# KiCad board knobdeavour.kicad_pcb (continued)
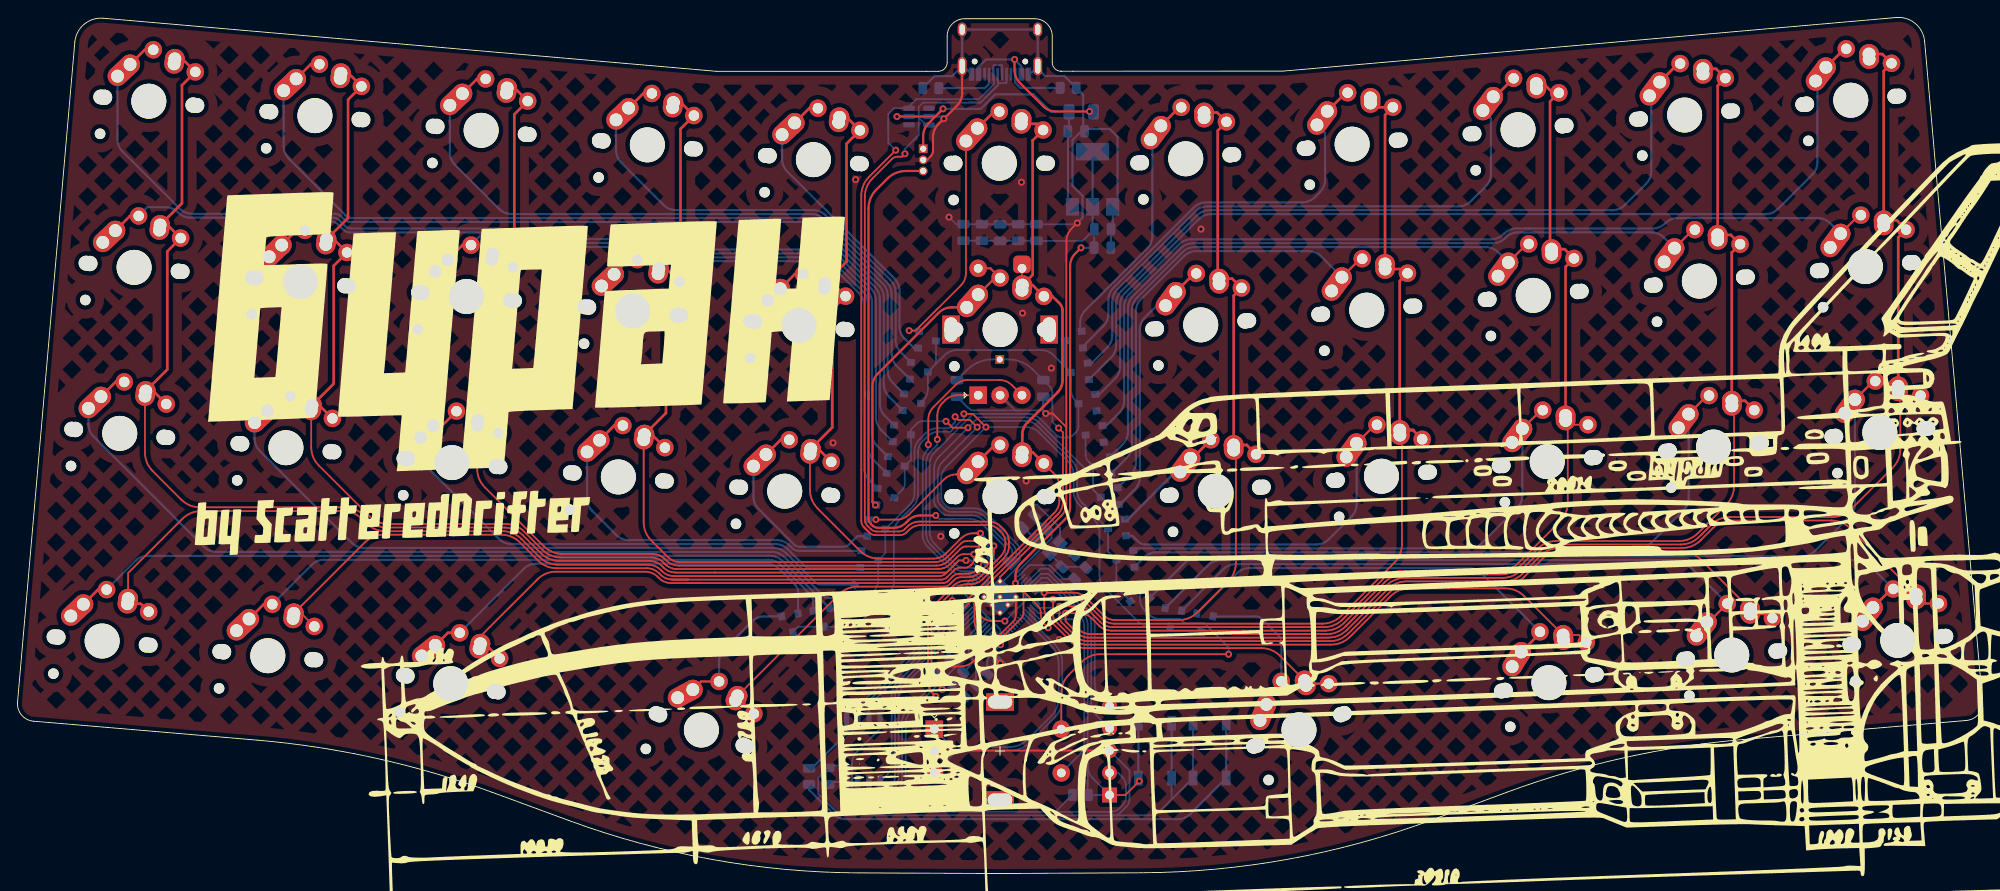
[diagram p0: board, top side]
## Routing (per net, layer and track width the routed paths; a pad name or vN(x,y) marks a point on that pad's centre or on a via; arc(x,y) is an arc through that point) (continued)
  Top w0.2: 96.75,54.53 96.75,55.18 ; 96.75,54.53 96.75,40.45 arc(96.83,40.06) 97.05,39.74 97.41,39.37 arc(97.74,39.15) 98.12,39.08 100.63,39.08 arc(101.02,39.15) 101.34,39.37 101.6,39.63 arc(102.25,40.06) 103.02,40.22 110.91,40.22 arc(111.68,40.06) 112.32,39.63 112.63,39.32 arc(113.07,38.67) 113.22,37.91 113.22,37.46 arc(113.07,36.69) 112.63,36.04 110.24,33.65 arc(109.59,33.21) 108.82,33.06 108.44,33.06 arc(107.67,32.91) 107.02,32.47 105.25,30.7 arc(104.6,29.73) 104.37,28.58 104.37,23.1 arc(104.52,22.34) 104.96,21.69 v1(105.58,21.07) ; 96.75,54.53 96.75,77.32 arc(96.98,78.46) 97.63,79.44 99.82,81.62 arc(100.14,81.84) 100.53,81.92 101.01,81.92 v1(101.34,82.25)
  Bottom w0.2: 102.91,86.38 103.73,85.56 U44.3 ; 102.91,86.38 102.91,84.39 ; 102.91,86.38 102.91,87.59 103.42,88.1 105.43,88.1 105.44,88.09 105.45,88.1 109.96,88.1 ; v1(105.58,21.07) 106.09,21.07 R3.1 ; 111.99,90.33 111.94,90.38 J0.A6 111.94,90.07 109.96,88.1 ; 111.99,90.33 111.99,90.12 109.96,88.1 ; 111.99,90.33 112.89,90.33 112.94,90.38 J0.B6 ; v1(101.34,82.25) 101.34,82.82 102.91,84.39 ; 108.56,88.1 109.96,88.1 ; 102.91,84.39 102.33,83.81
/USB_D-: length 114.1
  Top w0.2: 103.97,22.81 103.97,23.55 ; 103.97,23.55 103.97,28.74 arc(104.2,29.89) 104.85,30.86 106.86,32.87 arc(107.51,33.31) 108.27,33.46 108.66,33.46 arc(109.42,33.61) 110.07,34.04 112.23,36.21 arc(112.67,36.86) 112.82,37.62 112.82,37.74 arc(112.67,38.51) 112.23,39.16 112.16,39.23 arc(111.51,39.66) 110.74,39.82 103.18,39.82 arc(102.42,39.66) 101.77,39.23 101.51,38.97 arc(101.18,38.75) 100.8,38.68 97.96,38.68 arc(97.57,38.75) 97.25,38.97 96.67,39.55 ; 103.97,23.55 103.97,21.97 arc(104.12,21.2) 104.55,20.55 v1(104.86,20.25) ; 96.67,39.55 96.65,39.57 arc(96.43,39.9) 96.35,40.28 96.35,77.48 arc(96.58,78.63) 97.23,79.6 v1(100.29,82.66) ; 96.67,39.55 97.31,38.91
  Bottom w0.2: 99.44,86.33 99.44,84.61 ; 99.44,86.33 99.44,86.8 100.1,87.46 U44.6 101.8,87.65 102.65,88.5 109.8,88.5 111.49,90.19 111.49,90.63 111.44,90.68 J0.B7 111.44,92.33 111.49,92.38 112.39,92.38 112.44,92.33 J0.A7 ; 99.44,86.33 99.44,83.51 v1(100.29,82.66) ; 104.84,20.24 v1(104.86,20.25) 105.1,19.99 107.9,19.99 R4.1
/XIN: length 9.5
  Bottom w0.2: 116.22,36.47 114.2,34.45 U3.20 ; 116.22,36.47 116.7,36.95 ; 116.22,36.47 118.08,38.33 118.08,38.77 Y0.3 116.11,40.74 C2.1
/XOUT: length 7.3
  Bottom w0.2: R5.1 119.44,33.65 117.86,35.24 115.55,35.24 U3.21
/~{USB_BOOT}: length 58.6
  Bottom w0.25: 92.93,7.03 90.4,9.56 R1.2 ; 92.93,7.03 93.15,6.8 ; 92.93,7.03 93.16,6.8 arc(93.8,6.37) 94.57,6.21 123.62,6.21 132.5,6.21 arc(133.27,6.37) 133.92,6.8 SW4.2 ; SW4.2 SW4.2 ; SW4.2 138.04,10.92 138.04,11.5 138.03,11.51
COL0: length 266.3
  Top w0.2: 106.42,34.71 105.99,34.28 arc(105.66,34.06) 105.28,33.99 74.98,33.99 arc(74.21,34.14) 73.56,34.57 73.43,34.7 arc(72.78,35.14) 72.02,35.29 61.73,35.29 arc(60.58,35.52) 59.6,36.17 57.53,38.24 arc(56.56,38.89) 55.41,39.12 41.98,39.12 arc(40.83,39.35) 39.86,40 39.32,40.54 arc(38.34,41.19) 37.2,41.42 20.96,41.42 arc(19.81,41.19) 18.84,40.54 12.64,34.34 K4.1 ; 106.42,34.71 106.69,34.98 ; 106.42,34.71 106.1,34.39 79.66,34.39 79.66,34.39 79.66,34.39 75.17,34.39 arc(74.4,34.54) 73.75,34.98 73.6,35.13 arc(72.95,35.57) 72.18,35.72 61.89,35.72 arc(60.74,35.95) 59.77,36.6 57.71,38.66 arc(56.73,39.31) 55.58,39.54 42.37,39.54 ; 35.83,41.85 31.8,41.85 ; v1(108.31,35.78) 107.49,35.78 106.69,34.98 ; 106.69,34.98 107.35,35.64 ; K3.1 14.56,48.11 arc(14.78,46.96) 15.43,45.99 18.7,42.73 arc(19.67,42.08) 20.82,41.85 31.8,41.85 ; 31.8,41.85 37.38,41.85 arc(38.52,41.62) 39.5,40.97 40.05,40.42 arc(41.02,39.77) 42.17,39.54 42.37,39.54 ; 42.15,39.54 42.37,39.54
  Top w0.3: K4.1 14.06,30.83 K4.1 ; K1.1 18.82,93.1 K1.1 18.78,90.08 18.78,76.6 K2.1 17.14,74.11 K2.1 17.1,71.09 17.1,57.59 K3.1 15.5,55.14 K3.1
  Bottom w0.2: 109.55,35.09 108.86,35.78 v1(108.31,35.78) ; 109.55,35.09 109.32,35.32 ; 109.55,35.09 U3.9
COL1: length 225.6
  Top w0.2: 76.59,33.59 74.81,33.59 arc(74.05,33.74) 73.4,34.17 73.27,34.3 arc(72.62,34.74) 71.85,34.89 61.56,34.89 arc(60.41,35.12) 59.44,35.77 57.37,37.84 arc(56.39,38.49) 55.24,38.72 41.79,38.72 arc(40.64,38.49) 39.67,37.84 K8.1 ; 76.59,33.59 105.46,33.59 arc(105.85,33.66) 106.17,33.88 106.95,34.66 arc(107.27,34.87) 107.66,34.95 108.18,34.95 arc(108.56,35.03) 108.88,35.24 108.92,35.27 arc(109.13,35.6) 109.21,35.98 v1(109.21,36.49) 108.05,36.49 arc(107.66,36.41) 107.34,36.19 106.52,35.38 arc(105.87,34.94) 105.1,34.79 75.33,34.79 arc(74.57,34.94) 73.92,35.38 73.76,35.53 arc(73.11,35.97) 72.35,36.12 62.06,36.12 arc(60.91,36.35) 59.93,37 57.87,39.06 arc(56.9,39.71) 55.75,39.94 42.34,39.94 arc(41.19,40.17) 40.21,40.82 34.41,46.62 arc(33.76,47.59) 33.54,48.74 K7.1 ; 76.59,33.59 74.64,33.59 ; K8.1 31.56,29.24 K8.1 ; K8.1 32.41,29.73 K8.1
  Top w0.3: K7.1 34.48,53.5 K7.1 36.1,55.97 36.1,69.44 K6.1 36.14,72.46 K6.1 37.75,74.92 37.75,88.43 K5.1 37.79,91.45 K5.1
  Bottom w0.2: v1(109.21,36.49) 109.28,36.49 U3.11
COL2: length 187.2
  Top w0.2: K11.1 52.5,46.24 arc(52.72,45.09) 53.37,44.12 60.1,37.4 arc(61.07,36.75) 62.22,36.52 72.51,36.52 arc(73.28,36.37) 73.93,35.93 74.09,35.77 arc(74.73,35.34) 75.5,35.19 101.85,35.19 104.94,35.19 arc(105.7,35.34) 106.35,35.77 107.66,37.08 arc(107.98,37.3) 108.37,37.37 109.98,37.37 v1(110.07,37.28) ; v1(110.07,37.28) 110.19,37.17 ; v1(110.07,37.28) 110.07,35.59 arc(110,35.21) 109.78,34.88 109.74,34.84 arc(109.09,34.41) 108.33,34.26 107.53,34.26 arc(107.14,34.18) 106.82,33.97 106.34,33.48 arc(106.01,33.26) 105.63,33.19 78.11,33.19 ; K12.1 52.72,26.97 59.36,33.61 arc(60.33,34.26) 61.48,34.49 71.69,34.49 arc(72.45,34.34) 73.1,33.9 73.23,33.77 arc(73.88,33.34) 74.65,33.19 78.11,33.19 ; 78.11,33.19 76.43,33.19
  Top w0.3: K9.1 56.77,89.77 K9.1 56.73,86.75 56.73,73.26 K10.1 55.1,70.78 K10.1 55.06,67.76 55.06,54.27 K11.1 53.44,51.8 K11.1 ; K12.1 53.37,26.26 K12.1
  Bottom w0.2: U3.12 110.07,36.26 v1(110.07,37.28)
COL3: length 141.3
  Top w0.2: K15.1 71.5,40.17 arc(71.72,39.02) 72.37,38.05 74.25,36.17 arc(74.9,35.74) 75.67,35.59 104.77,35.59 arc(105.54,35.74) 106.19,36.17 107.72,37.7 arc(108.04,37.92) 108.42,38 110.51,38 arc(110.9,37.92) 111.22,37.7 v1(111.5,37.43) 111.5,36.87 arc(111.35,36.1) 110.91,35.45 109.9,34.44 arc(109.26,34.01) 108.49,33.86 107.69,33.86 arc(107.31,33.78) 106.99,33.57 106.5,33.08 arc(106.18,32.87) 105.8,32.79 95.95,32.79 arc(94.8,32.56) 93.83,31.91 K16.1
  Top w0.3: K13.1 75.75,88.11 K13.1 75.71,85.09 75.71,71.59 K14.1 74.09,69.12 K14.1 74.05,66.1 74.05,52.62 K15.1 72.44,50.16 K15.1 ; K16.1 82.22,20.13 K16.1
  Bottom w0.2: U3.14 111.5,35.97 v1(111.5,37.43)
COL4: length 79.8
  Top w0.2: K19.1 90.49,43.84 arc(90.72,42.69) 91.37,41.71 96.22,36.87 arc(97.19,36.22) 98.34,35.99 104.61,35.99 arc(105.37,36.14) 106.02,36.57 107.74,38.29 arc(108.39,38.73) 109.15,38.88 v1(109.96,38.88) 109.46,38.88 109.47,38.88
  Top w0.3: K17.1 94.71,86.42 K17.1 94.67,83.4 94.67,69.92 K18.1 93.07,67.47 K18.1 93.03,64.45 93.03,50.97 K19.1 91.43,48.53 92.92,47.04
  Bottom w0.2: U3.13 110.77,36.13 110.77,38.06 v1(109.96,38.88)
COL5: length 77.3
  Top w0.2: SW2.S1 114.7,67.28 K22.1 ; 113.15,35.97 112.42,35.23 ; 113.15,35.97 108.36,31.18 v1(106.74,31.18) 106.38,31.18 ; 113.15,35.97 118.39,41.2 arc(118.82,41.85) 118.97,42.62 118.97,44.26 arc(118.82,45.02) 118.39,45.67 K23.1
  Top w0.3: K21.1 116.41,85.67 K21.1 115.92,83.77 115.92,68.41 K22.1 115.92,67.24 K22.1 118.18,65.96 119.03,65.1 arc(119.25,64.78) 119.32,64.4 119.32,56.36 arc(119.17,55.6) 118.74,54.95 115.32,51.53 arc(114.89,50.88) 114.73,50.11 K23.1 115.91,48.15 K23.1
  Bottom w0.2: v1(106.74,31.18) 106.74,32.64 107.04,32.94 107.74,32.94 U3.2
COL6: length 124.5
  Top w0.2: K27.1 139.13,48.14 139.13,35.49 arc(138.9,34.34) 138.25,33.37 134.71,29.83 arc(133.74,29.18) 132.59,28.95 125.4,28.95 arc(124.64,29.11) 123.99,29.54 122.02,31.51 arc(121.37,31.94) 120.61,32.09 v1(117.24,32.09) 117.24,30.39 arc(117.4,29.62) 117.83,28.97 120.46,26.34 arc(121.11,25.91) 121.87,25.76 142.04,25.76 arc(143.19,25.53) 144.16,24.88 K28.1
  Top w0.25: K28.1 147.34,21.7 K28.1
  Top w0.3: K26.1 138.7,67.98 K26.1 138.87,66.03 K27.1 140.37,48.97 K27.1 ; K26.1 137.05,67.56 137.05,84.9 K25.1 136.99,86.96 K25.1
  Bottom w0.2: 116.63,32.19 U3.28 117.15,32.19 v1(117.24,32.09)
COL7: length 175.7
  Top w0.2: K31.1 158.1,49.85 158.1,37.63 arc(157.87,36.48) 157.22,35.51 151.14,29.43 arc(150.17,28.78) 149.02,28.55 125.24,28.55 arc(124.47,28.71) 123.82,29.14 122.22,30.74 arc(121.57,31.18) 120.81,31.33 v1(118.25,31.33) 118.25,29.53 arc(118.32,29.15) 118.54,28.83 120.13,27.23 ; 120.13,27.23 120.62,26.74 arc(121.27,26.31) 122.04,26.16 150.01,26.16 arc(151.16,26.38) 152.14,27.04 156.8,31.7 arc(157.77,32.35) 158.92,32.58 169.92,32.58 arc(171.07,32.35) 172.04,31.7 K32.1 178.3,27.25 K32.1 ; 120.13,27.23 120.3,27.07
  Top w0.3: K30.1 158.24,69.08 K30.1 157.84,67.72 K31.1 ; K31.1 159.34,50.68 K31.1 ; K29.1 155.55,87.57 K29.1 156.16,86.68 K30.1 ; K31.1 159.43,50.68
  Bottom w0.2: v1(118.25,31.33) 116.78,31.33 U3.29
COL8: length 213.3
  Top w0.2: K36.1 192.17,35.92 arc(191.2,36.57) 190.05,36.8 176.2,36.8 arc(175.05,36.57) 174.08,35.92 172.02,33.86 arc(171.05,33.21) 169.9,32.98 158.76,32.98 arc(157.61,32.75) 156.64,32.1 151.97,27.43 arc(151,26.78) 149.85,26.56 122.2,26.56 arc(121.44,26.71) 120.79,27.14 119.27,28.66 arc(119.05,28.99) 118.98,29.37 118.98,30.5 v1(119.02,30.54) 121.03,30.54 arc(121.79,30.39) 122.44,29.95 123.66,28.74 arc(124.3,28.31) 125.07,28.15 149.19,28.15 arc(150.33,28.38) 151.31,29.03 155.97,33.7 arc(156.95,34.35) 158.1,34.58 169.24,34.58 arc(170.38,34.81) 171.36,35.46 176.15,40.25 arc(176.8,41.22) 177.03,42.37 177.03,51.52 K35.1 177.26,51.29 K35.1
  Top w0.3: K35.1 176.77,69.33 K34.1 176.67,71.35 K34.1 175,71.52 175,88.22 K33.1 175.31,89.22 174.25,90.28 K33.1 ; K36.1 199.92,29.67 K36.1
  Bottom w0.2: v1(119.02,30.54) 118.83,30.35 116.56,30.35 U3.30
COL9: length 252.6
  Top w0.2: K40.1 209.26,39.46 arc(208.29,40.11) 207.14,40.34 195.7,40.34 arc(194.55,40.11) 193.58,39.46 192.2,38.08 arc(191.22,37.43) 190.08,37.2 176.04,37.2 arc(174.89,36.97) 173.92,36.32 171.85,34.26 arc(170.88,33.61) 169.73,33.38 158.59,33.38 arc(157.44,33.15) 156.47,32.5 151.8,27.83 arc(150.83,27.18) 149.68,26.96 122.37,26.96 arc(121.6,27.11) 120.96,27.54 119.68,28.82 v1(119.68,29.75) 121.25,29.75 arc(122.02,29.6) 122.67,29.16 123.49,28.34 arc(124.14,27.91) 124.9,27.75 149.35,27.75 arc(150.5,27.98) 151.47,28.63 156.14,33.3 arc(157.11,33.95) 158.26,34.18 169.4,34.18 arc(170.55,34.41) 171.52,35.06 173.58,37.12 arc(174.56,37.77) 175.71,38 189.75,38 arc(190.89,38.23) 191.87,38.88 195.14,42.15 arc(195.79,43.12) 196.02,44.27 196.02,53.19 K39.1
  Top w0.25: K40.1 217.86,30.86 K40.1
  Top w0.3: K39.1 197.26,54.02 K39.1 195.76,70.98 K38.1 195.64,72.98 K38.1 194.14,90.02 K37.1 193.96,91.96 K37.1
  Bottom w0.2: v1(119.68,29.75) 116.59,29.75 U3.31
COL10: length 163.9
  Top w0.2: K41.1 215.81,54.62 K41.1 ; v1(120.93,28.71) 120.93,28.13 121.12,27.94 arc(121.77,27.51) 122.54,27.36 149.52,27.36 arc(150.67,27.58) 151.64,28.23 152.95,29.54 ; 151.67,28.27 152.95,29.54 ; 152.95,29.54 156.31,32.9 arc(157.28,33.55) 158.43,33.78 169.57,33.78 arc(170.71,34.01) 171.69,34.66 173.75,36.72 arc(174.72,37.37) 175.87,37.6 189.91,37.6 arc(191.06,37.83) 192.03,38.48 193.41,39.86 arc(194.39,40.51) 195.54,40.74 207.26,40.74 arc(208.4,40.97) 209.38,41.62 214.13,46.37 arc(214.78,47.34) 215.01,48.49 215.01,54.85 K41.1
  Top w0.3: K20.1 212.93,93.65 K20.1 213.1,91.7 K24.1 214.6,74.64 K24.1 214.76,72.68 K41.1
  Bottom w0.2: U3.32 116.72,29.05 120.59,29.05 v1(120.93,28.71)
KNOB2_L: length 28.3
  Top w0.2: v1(105.04,49.61) 105.04,52.36 arc(105.19,53.12) 105.62,53.77 105.92,54.07 arc(106.57,54.51) 107.34,54.66 SW2.A
  Bottom w0.2: U3.7 108.99,34.52 108.14,34.52 arc(107.37,34.67) 106.73,35.1 104.34,37.49 arc(103.91,38.13) 103.76,38.9 103.76,46.89 arc(103.91,47.66) 104.34,48.31 105.04,49 v1(105.04,49.61) 105.04,49.8
KNOB2_R: length 35.3
  Top w0.2: SW2.B 113.55,55.81 arc(112.9,56.25) 112.13,56.4 108.51,56.4 arc(107.75,56.25) 107.1,55.81 104.59,53.31 arc(104.16,52.66) 104.01,51.89 v1(104.01,49.01)
  Bottom w0.2: v1(104.01,49.01) 104.01,48.54 103.95,48.47 arc(103.51,47.82) 103.36,47.06 103.36,38.73 arc(103.51,37.97) 103.95,37.32 106.56,34.71 arc(107.21,34.27) 107.97,34.12 108.82,34.12 U3.6
KNOB2_ROW: length 34.8
  Top w0.25: K22.2 111.6,68.06 K22.2 111.1,69.16 SW2.S2 ; 98.02,42.14 v1(97.97,42.11) 97.63,42.45 97.63,55.68 arc(97.78,56.44) 98.21,57.09 105.23,64.11 arc(105.88,64.55) 106.65,64.7 K22.2
KNOB_COL: length 26.1
  Bottom w0.2: U3.27 116.94,33.23 117.6,33.23 121.22,29.61 arc(121.66,28.96) 121.81,28.2 121.81,14.94 arc(121.66,14.18) 121.22,13.53 SW1.S1
KNOB_DIODE: length 40.7
  Top w0.2: SW1.S2 119.19,20.61 arc(119.42,21.76) 120.07,22.73 121.52,24.18 arc(122.49,24.83) 123.64,25.06 v1(138.3,25.06)
  Bottom w0.2: v1(138.3,25.06) 138.3,25.84 135.53,28.6 133.24,28.6 132.76,29.09 130.52,29.09 arc(129.75,29.24) 129.1,29.67 128.77,30.01 arc(128.33,30.66) 128.18,31.42 D22.1
KNOB_L: length 28.6
  Bottom w0.2: SW1.A 106.15,15.04 arc(106.8,14.61) 107.56,14.46 113.26,14.46 arc(114.41,14.69) 115.38,15.34 118.02,17.97 arc(118.67,18.95) 118.9,20.1 118.9,23.93 arc(118.67,25.08) 118.02,26.06 117.71,26.37 117.71,26.37 U3.35
KNOB_R: length 29.8
  Bottom w0.2: SW1.B 106.67,13.47 arc(107.32,13.91) 108.08,14.06 113.43,14.06 arc(114.57,14.29) 115.55,14.94 118.42,17.81 arc(119.07,18.78) 119.3,19.93 119.3,24.1 arc(119.07,25.25) 118.42,26.22 116.78,27.86 U3.34
LED_GLOW: length 65.6
  Top w0.25: 97.18,54.28 97.18,76.01 arc(97.41,77.16) 98.06,78.13 99.33,79.4 arc(100.3,80.05) 101.45,80.28 J2.3 ; 97.18,54.28 97.18,55 ; 97.18,54.28 97.18,40.62 arc(97.25,40.24) 97.47,39.91 97.59,39.8 arc(97.91,39.58) 98.3,39.5 100.04,39.5 arc(100.81,39.65) 101.46,40.09 101.7,40.33 arc(102.35,40.77) 103.12,40.92 v1(104.86,40.92)
  Bottom w0.2: 106.76,40.53 106.58,40.53 ; 106.76,40.53 108.74,40.53 arc(109.51,40.38) 110.16,39.94 112.49,37.61 arc(112.71,37.28) 112.79,36.9 U3.15 ; 106.76,40.53 105.99,40.53 ; 106.58,40.53 105.84,40.53 ; 106.58,40.53 105.25,40.53 v1(104.86,40.92)
ROW0: length 73
  Bottom w0.2: D1.3 103.36,53.95 arc(103.8,54.6) 103.95,55.36 D5.3 104.78,58.15 ; 104.78,58.15 105.86,59.23 arc(106.51,59.66) 107.28,59.81 116.89,59.81 arc(117.65,59.66) 118.3,59.23 D17.3 ; 104.78,58.15 104.88,58.25 D9.3 ; 109.65,34.42 U3.8 109.16,34.92 108.31,34.92 arc(107.54,35.07) 106.89,35.5 104.74,37.65 arc(104.31,38.3) 104.16,39.07 104.16,46.73 arc(104.31,47.49) 104.74,48.14 109.12,52.52 110.33,52.52 110.33,52.52 115.39,52.52 arc(116.16,52.36) 116.8,51.93 118.63,50.11 arc(118.95,49.89) 119.33,49.82 119.84,49.82 arc(120.23,49.89) 120.55,50.11 120.86,50.42 arc(121.07,50.74) 121.15,51.12 D12.3 120.87,53.96 arc(120.43,54.61) 120.28,55.38 D17.3 ; D17.3 119.55,57.97 ; D13.3 119.6,58.02 119.55,57.97 ; 119.55,57.97 119.42,58.11
ROW1: length 68.3
  Top w0.2: v1(108.53,50.94) 106.76,50.94 v1(106.03,51.68)
  Bottom w0.2: 109,51.41 109.13,51.54 v1(108.53,50.94) ; D10.3 101.02,43.82 arc(101.24,44.15) 101.32,44.53 D6.3 102.03,47.27 D2.3 102.03,50.75 102.69,51.4 arc(103.01,51.62) 103.39,51.7 106.01,51.7 v1(106.03,51.68) 106.03,51.75 ; 104.68,44.61 104.68,46.26 arc(104.83,47.02) 105.26,47.67 v1(108.53,50.94) ; 104.68,44.61 104.68,42.54 arc(104.76,42.16) 104.97,41.83 105.58,41.22 arc(105.91,41) 106.29,40.93 108.91,40.93 arc(109.67,40.78) 110.32,40.34 113.34,37.33 arc(113.55,37.01) 113.63,36.62 113.63,36.14 U3.16 113.3,35.82 ; 104.68,44.61 104.68,46.24 ; v1(108.53,50.94) 109.71,52.12 115.23,52.12 arc(115.99,51.96) 116.64,51.53 122.84,45.33 122.84,43.99 ; D14.3 122.84,43.84 122.84,43.99 ; 122.84,43.99 D18.3 122.26,47.11 arc(122.05,47.44) 121.97,47.82 D21.3
ROW2: length 84.7
  Top w0.2: v1(109.59,51.01) 108.77,51.83 107.44,51.83 v1(107.07,52.2)
  Bottom w0.2: 121.85,42.09 121.57,42.37 ; 121.85,42.09 121.59,42.35 arc(121.15,43) 121,43.76 121,45.78 arc(120.85,46.54) 120.42,47.19 116.47,51.13 arc(115.83,51.56) 115.06,51.72 110.3,51.72 v1(109.59,51.01) 105.66,47.08 arc(105.23,46.43) 105.08,45.67 105.08,42.83 arc(105.15,42.45) 105.37,42.13 105.88,41.62 arc(106.2,41.4) 106.59,41.33 109.07,41.33 arc(109.84,41.18) 110.49,40.74 113.74,37.5 arc(113.95,37.17) 114.03,36.79 114.03,35.98 U3.17 ; 121.85,42.09 D15.3 124.53,36.78 D19.3 125.48,33.54 arc(125.63,32.78) 126.07,32.13 D22.3 ; D3.3 97.7,32.17 arc(98.13,32.82) 98.29,33.58 D7.3 99.11,36.61 D11.3 101.84,42.09 arc(102.27,42.74) 102.43,43.51 102.43,48.22 arc(102.58,48.98) 103.01,49.63 103.69,50.31 arc(104.34,50.74) 105.11,50.9 106.37,50.9 107.07,51.6 v1(107.07,52.2)
ROW3: length 106.5
  Top w0.2: v1(110.59,51.02) 109.08,52.53 v1(108.07,52.53)
  Bottom w0.2: 101.02,40.71 101.96,41.65 ; 101.02,40.71 102.24,41.93 arc(102.67,42.57) 102.82,43.34 102.82,48.05 arc(102.98,48.82) 103.41,49.46 103.86,49.91 arc(104.51,50.34) 105.27,50.5 106.53,50.5 108.07,52.03 v1(108.07,52.53) ; 101.02,40.71 100.66,40.35 arc(100.23,39.7) 100.08,38.94 100.08,33.4 arc(99.93,32.63) 99.49,31.98 96.3,28.79 arc(95.65,28.35) 94.88,28.2 D4.3 89.16,28.2 D8.3 ; 132.21,28.2 D20.3 ; 132.21,28.2 129.37,28.2 arc(128.61,28.35) 127.96,28.79 124.14,32.6 arc(123.71,33.25) 123.56,34.02 123.56,38.99 arc(123.41,39.75) 122.97,40.4 121.19,42.19 arc(120.75,42.83) 120.6,43.6 120.6,45.61 arc(120.45,46.38) 120.02,47.02 116.61,50.43 arc(115.96,50.87) 115.19,51.02 v1(110.59,51.02) 106.06,46.49 arc(105.63,45.84) 105.48,45.08 105.48,43 arc(105.55,42.62) 105.77,42.29 106.04,42.02 arc(106.37,41.8) 106.75,41.73 109.24,41.73 arc(110,41.58) 110.65,41.14 114.14,37.66 arc(114.35,37.34) 114.43,36.95 114.43,35.81 U3.18 ; 132.21,28.2 134.61,28.2 D16.3
Net-(C3-Pad1): length 4.9
  Bottom w0.2: Y0.1 119.26,35.19 C3.1 121.89,35.06 R5.2
Net-(D1-Pad1): length 120.7
  Top w0.3: K1.2 14.53,94.14 K1.2
  Bottom w0.25: 95.09,70.49 94.48,71.1 ; 95.09,70.49 91.71,73.88 arc(91.06,74.31) 90.29,74.46 38,74.46 arc(37.61,74.54) 37.29,74.75 36.94,75.1 arc(36.62,75.32) 36.23,75.39 19.94,75.39 arc(19.17,75.55) 18.52,75.98 12,82.5 arc(11.57,83.15) 11.42,83.91 K1.2 ; 95.09,70.49 98.33,67.25 arc(98.77,66.6) 98.92,65.84 98.92,55.91 arc(99.07,55.15) 99.51,54.5 D1.1
Net-(D1-Pad2): length 98.3
  Top w0.3: K5.2 33.5,92.49 K5.2
  Bottom w0.25: D1.2 99.96,56.08 arc(99.52,56.72) 99.37,57.49 99.37,66.02 arc(99.22,66.79) 98.78,67.44 91.9,74.32 arc(91.25,74.76) 90.48,74.91 38.18,74.91 arc(37.8,74.99) 37.47,75.2 30.97,81.7 arc(30.54,82.35) 30.39,83.12 K5.2
Net-(D2-Pad1): length 89.6
  Top w0.3: K6.2 31.85,73.5 K6.2
  Bottom w0.25: D2.1 98.61,50.71 arc(98.17,51.36) 98.02,52.12 98.02,65.46 arc(97.87,66.23) 97.44,66.88 94.03,70.28 arc(93.38,70.71) 92.62,70.87 76.55,70.87 arc(76.17,70.94) 75.84,71.16 75.24,71.76 arc(74.92,71.98) 74.53,72.05 56.76,72.05 arc(56.38,72.13) 56.05,72.35 55.43,72.97 arc(55.11,73.19) 54.72,73.26 37.92,73.26 arc(37.54,73.34) 37.21,73.56 36.57,74.2 arc(36.24,74.42) 35.86,74.5 33.83,74.5 K6.2
Net-(D2-Pad2): length 107.6
  Top w0.3: K2.2 12.85,75.15 K2.2
  Bottom w0.25: D2.2 99.06,52.28 arc(98.62,52.93) 98.47,53.7 98.47,65.65 arc(98.32,66.41) 97.89,67.06 94.22,70.73 arc(93.57,71.16) 92.8,71.32 76.74,71.32 arc(76.35,71.39) 76.03,71.61 75.43,72.21 arc(75.1,72.43) 74.72,72.5 56.95,72.5 arc(56.56,72.58) 56.24,72.8 55.62,73.42 arc(55.29,73.64) 54.91,73.71 38.11,73.71 arc(37.72,73.79) 37.4,74.01 36.75,74.65 arc(36.43,74.87) 36.05,74.94 19.75,74.94 arc(18.98,75.1) 18.34,75.53 18.31,75.56 arc(17.66,75.99) 16.89,76.15 14.83,76.15 K2.2
Net-(D3-Pad1): length 99.9
  Top w0.3: K3.2 11.21,56.18 K3.2
  Bottom w0.25: D3.1 92.68,31.47 arc(92.29,31.55) 91.97,31.77 87.57,36.17 arc(86.92,36.6) 86.16,36.75 22.7,36.75 arc(21.93,36.9) 21.28,37.34 8.68,49.94 arc(8.25,50.59) 8.1,51.35 K3.2
Net-(D3-Pad2): length 80.7
  Top w0.3: K7.2 30.19,54.54 K7.2
  Bottom w0.25: D3.2 91.76,33.03 arc(91.37,33.11) 91.05,33.32 87.76,36.62 arc(87.11,37.05) 86.34,37.2 39.59,37.2 arc(38.82,37.35) 38.17,37.79 27.66,48.3 arc(27.23,48.95) 27.08,49.71 K7.2
Net-(D4-Pad1): length 70.3
  Top w0.3: K8.2 28.12,30.77 K8.2
  Bottom w0.25: D4.1 90.85,31.16 arc(90.77,31.54) 90.56,31.87 87.15,35.27 arc(86.51,35.7) 85.74,35.85 35.01,35.85 arc(34.25,35.7) 33.6,35.27 K8.2
Net-(D4-Pad2): length 89.8
  Top w0.3: K4.2 9.2,32.45 K4.2
  Bottom w0.25: D4.2 87.34,35.72 arc(86.69,36.15) 85.93,36.3 14.86,36.3 arc(14.1,36.15) 13.45,35.72 K4.2
Net-(D5-Pad1): length 77.1
  Top w0.3: K9.2 52.48,90.81 K9.2
  Bottom w0.25: 98.42,68.43 99.23,67.62 arc(99.67,66.97) 99.82,66.21 99.82,59.41 arc(99.97,58.64) 100.41,57.99 D5.1 ; 98.42,68.43 92.08,74.77 arc(91.43,75.21) 90.67,75.36 56.41,75.36 arc(55.65,75.51) 55,75.95 49.95,80.99 arc(49.52,81.64) 49.37,82.4 K9.2 ; 98.42,68.43 98.49,68.36
Net-(D5-Pad2): length 54.7
  Top w0.3: K13.2 71.46,89.15 K13.2
  Bottom w0.25: K13.2 68.35,82.66 arc(68.5,81.89) 68.93,81.25 73.79,76.4 arc(74.43,75.96) 75.2,75.81 90.85,75.81 arc(91.62,75.66) 92.27,75.22 99.68,67.81 arc(100.12,67.16) 100.27,66.39 100.27,60.99 arc(100.42,60.22) 100.85,59.57 D5.2
Net-(D6-Pad1): length 53
  Top w0.3: K14.2 69.8,70.16 K14.2
  Bottom w0.25: K14.2 71.78,71.16 74.16,71.16 arc(74.54,71.08) 74.87,70.86 75.47,70.26 arc(75.79,70.04) 76.18,69.97 92.25,69.97 arc(93.01,69.82) 93.66,69.38 96.54,66.5 arc(96.97,65.86) 97.12,65.09 97.12,48.71 arc(97.27,47.94) 97.71,47.3 D6.1
Net-(D6-Pad2): length 71.1
  Top w0.3: K10.2 50.81,71.82 K10.2
  Bottom w0.25: D6.2 98.16,48.87 arc(97.72,49.52) 97.57,50.29 97.57,65.28 arc(97.42,66.04) 96.99,66.69 93.85,69.83 arc(93.2,70.26) 92.43,70.42 76.36,70.42 arc(75.98,70.49) 75.66,70.71 75.05,71.31 arc(74.73,71.53) 74.35,71.6 56.58,71.6 arc(56.19,71.68) 55.87,71.9 55.24,72.52 arc(54.92,72.74) 54.54,72.82 52.79,72.82 K10.2
Net-(D7-Pad1): length 60.9
  Top w0.3: K11.2 48.45,51.16 K11.2
  Bottom w0.25: K11.2 46.04,48.01 arc(46.19,47.25) 46.62,46.6 54.98,38.24 arc(55.63,37.8) 56.4,37.65 86.53,37.65 arc(87.29,37.5) 87.94,37.06 89.73,35.27 arc(90.06,35.06) 90.44,34.98 D7.1
Net-(D7-Pad2): length 42.7
  Top w0.3: K15.2 68.15,51.2 K15.2
  Bottom w0.25: K15.2 65.04,42.85 arc(65.19,42.08) 65.62,41.44 68.37,38.69 arc(69.02,38.25) 69.79,38.1 86.71,38.1 arc(87.48,37.95) 88.13,37.51 88.47,37.17 arc(88.8,36.95) 89.18,36.87 D7.2
Net-(D8-Pad1): length 15.3
  Top w0.25: K16.2 78.04,21.94 K16.2
  Bottom w0.25: D8.1 85.29,29.39 arc(84.52,29.24) 83.87,28.8 80.7,25.63 arc(80.26,24.98) 80.11,24.21 K16.2
Net-(D8-Pad2): length 49.2
  Top w0.3: K12.2 49.14,27.51 K12.2
  Bottom w0.25: D8.2 89.13,32.24 arc(89.05,32.62) 88.84,32.95 86.97,34.82 arc(86.32,35.25) 85.55,35.4 59.22,35.4 arc(58.46,35.25) 57.81,34.82 K12.2
Net-(D9-Pad1): length 34.2
  Top w0.3: K17.2 90.42,87.46 K17.2
  Bottom w0.25: D9.1 102.37,60.05 101.3,61.11 arc(100.87,61.76) 100.72,62.53 100.72,66.58 arc(100.57,67.35) 100.13,67.99 87.89,80.23 arc(87.46,80.88) 87.31,81.65 K17.2
Net-(D9-Pad2): length 29.2
  Top w0.2: K21.2 108.3,68.61 arc(108.15,67.85) 107.72,67.2 102.56,62.04 v1(101.82,62.04)
  Top w0.3: K21.2 111.51,87.07 K21.2
  Bottom w0.2: D9.2 102.86,62.04 v1(101.82,62.04)
Net-(D10-Pad2): length 34.3
  Top w0.3: K18.2 88.78,68.51 K18.2
  Bottom w0.25: D10.2 97.26,44.97 arc(96.83,45.62) 96.67,46.39 96.67,64.9 arc(96.52,65.67) 96.09,66.32 93.49,68.92 arc(92.84,69.35) 92.07,69.51 90.76,69.51 K18.2
Net-(D11-Pad1): length 27.5
  Top w0.3: K19.2 87.14,49.57 K19.2
  Bottom w0.25: K19.2 84.04,43.07 arc(84.19,42.3) 84.62,41.66 88.66,37.62 arc(88.99,37.4) 89.37,37.32 94.01,37.32 ; 94.01,37.32 94.27,37.32 arc(94.66,37.4) 94.98,37.62 95.91,38.55 D11.1 ; 94.01,37.32 89.54,37.32
Net-(D11-Pad2): length 16.5
  Top w0.2: K23.2 107.21,45.61 arc(106.44,45.46) 105.79,45.02 101.8,41.03 arc(101.15,40.6) 100.39,40.44 v1(98.02,40.44)
  Top w0.3: K23.2 111.59,48.97 K23.2
  Bottom w0.25: v1(98.02,40.44) D11.2
Net-(D12-Pad1): length 111.1
  Top w0.3: K20.2 208.61,94.25 K20.2
  Bottom w0.25: K20.2 205.53,90.36 205.53,81.28 arc(205.38,80.52) 204.95,79.87 201.01,75.93 arc(200.36,75.5) 199.6,75.35 136.3,75.35 arc(135.53,75.2) 134.88,74.76 126.5,66.38 arc(126.06,65.73) 125.91,64.96 125.91,57.97 arc(125.76,57.21) 125.32,56.56 123.53,54.76 D12.1
Net-(D13-Pad1): length 29.3
  Top w0.3: K25.2 132.67,87.56 K25.2
  Bottom w0.25: 129.59,74.05 129.59,72.85 arc(129.44,72.08) 129.01,71.43 121.94,64.36 arc(121.5,63.71) 121.35,62.95 121.35,61.94 ; 129.59,74.05 129.59,83.67 K25.2 ; 129.59,74.05 129.59,73.25
Net-(D13-Pad2): length 47.6
  Top w0.3: K29.2 151.67,89.23 K29.2
  Bottom w0.25: K29.2 149.31,84.62 149.31,79.28 arc(149.16,78.51) 148.72,77.86 148.14,77.28 arc(147.5,76.85) 146.73,76.7 135.74,76.7 arc(134.97,76.55) 134.32,76.11 125.15,66.94 arc(124.71,66.29) 124.56,65.52 124.56,63.96 arc(124.41,63.19) 123.98,62.54 121.48,60.05
Net-(D14-Pad1): length 52
  Top w0.25: K30.2 153.34,70.26 K30.2
  Bottom w0.25: K30.2 148.83,70.54 arc(148.19,70.98) 147.42,71.13 134.62,71.13 arc(133.85,70.98) 133.2,70.54 128.29,65.63 arc(127.86,64.98) 127.71,64.22 127.71,46.99 arc(127.56,46.23) 127.12,45.58 D14.1
Net-(D14-Pad2): length 28.6
  Top w0.3: K26.2 134.38,68.58 K26.2
  Bottom w0.25: K26.2 130.09,64.9 128.74,63.55 arc(128.31,62.9) 128.16,62.14 128.16,45.29 arc(128.01,44.52) 127.57,43.87 125.88,42.18 D14.2
Net-(D15-Pad1): length 13.7
  Top w0.3: K27.2 132.77,46.06 K27.2
  Bottom w0.3: D15.1 126.82,40.49 132.21,45.89 K27.2
Net-(D15-Pad2): length 39.1
  Top w0.25: K31.2 155.02,51.28 K31.2
  Bottom w0.25: K31.2 152.91,42.2 arc(152.76,41.44) 152.33,40.79 149.73,38.19 arc(149.08,37.76) 148.31,37.6 128.72,37.6 arc(128.34,37.68) 128.02,37.9 127.31,38.6 D15.2
Net-(D16-Pad1): length 47.4
  Top w0.3: K32.2 173.85,27.44 K32.2
  Bottom w0.25: K32.2 167.14,34.32 arc(166.5,34.76) 165.73,34.91 140.68,34.91 arc(139.92,34.76) 139.27,34.32 D16.1
Net-(D16-Pad2): length 17
  Top w0.25: K28.2 142.62,20.26 K28.2
  Bottom w0.25: K28.2 144.32,26.46 arc(144.24,26.84) 144.02,27.16 142.1,29.08 arc(141.78,29.3) 141.39,29.38 D16.2
Net-(D17-Pad1): length 70.3
  Top w0.3: K33.2 168.73,88.76 K33.2
  Bottom w0.25: 168.18,86.35 K33.2 168.25,86.28 168.25,79.95 arc(168.1,79.18) 167.66,78.53 165.96,76.83 arc(165.32,76.4) 164.55,76.25 135.92,76.25 135.92,76.25 arc(135.16,76.1) 134.51,75.66 125.6,66.75 arc(125.16,66.1) 125.01,65.34 125.01,61.51 arc(124.86,60.75) 124.43,60.1 122.66,58.33 D17.1
Net-(D17-Pad2): length 89.8
  Top w0.3: K37.2 189.64,92.56 K37.2
  Bottom w0.25: K37.2 186.56,88.67 186.56,80.24 arc(186.41,79.48) 185.98,78.83 183.53,76.38 arc(182.88,75.95) 182.12,75.8 136.11,75.8 arc(135.34,75.65) 134.69,75.21 126.05,66.56 arc(125.61,65.92) 125.46,65.15 125.46,60.39 arc(125.31,59.62) 124.88,58.97 D17.2
Net-(D18-Pad1): length 88.2
  Top w0.25: K38.2 191.32,73.58 K38.2
  Bottom w0.25: 126.81,52.14 126.81,64.59 arc(126.96,65.36) 127.4,66.01 132.83,71.44 arc(133.48,71.88) 134.25,72.03 168.47,72.03 arc(169.24,72.18) 169.89,72.61 169.95,72.68 arc(170.6,73.12) 171.37,73.27 186.58,73.27 arc(187.35,73.12) 187.99,72.68 K38.2 ; 126.81,52.14 126.81,51.62 ; 126.81,52.14 126.81,50.49 arc(126.66,49.73) 126.22,49.08 D18.1
Net-(D18-Pad2): length 69.7
  Top w0.25: K34.2 172.35,71.95 K34.2
  Bottom w0.25: K34.2 169.08,70.99 arc(168.44,71.43) 167.67,71.58 134.43,71.58 arc(133.67,71.43) 133.02,70.99 127.84,65.82 arc(127.41,65.17) 127.26,64.41 127.26,48.92 arc(127.11,48.15) 126.67,47.5 D18.2
Net-(D19-Pad1): length 58.2
  Top w0.25: K35.2 173.95,52.95 K35.2
  Bottom w0.25: D19.1 127.65,37.16 165.79,37.16 arc(166.55,37.31) 167.2,37.74 171.26,41.8 arc(171.69,42.45) 171.84,43.21 K35.2
Net-(D19-Pad2): length 79.6
  Top w0.25: K39.2 192.94,54.62 K39.2
  Bottom w0.25: D19.2 128.64,36.12 arc(129.29,36.55) 130.06,36.71 184.63,36.71 arc(185.39,36.86) 186.04,37.29 190.25,41.5 arc(190.68,42.15) 190.83,42.91 K39.2
Net-(D20-Pad1): length 89.8
  Top w0.3: K40.2 213.98,32.52 K40.2
  Bottom w0.25: K40.2 211.49,35.22 arc(210.84,35.65) 210.08,35.81 137.36,35.81 arc(136.6,35.65) 135.95,35.22 D20.1
Net-(D20-Pad2): length 69.4
  Top w0.25: K36.2 193.13,28.73 K36.2
  Bottom w0.25: D20.2 137.7,34.77 arc(138.35,35.2) 139.12,35.36 189.9,35.36 arc(190.66,35.2) 191.31,34.77 K36.2
Net-(D21-Pad1): length 107.7
  Top w0.25: K24.2 210.28,75.24 K24.2
  Bottom w0.25: 126.36,64.63 126.36,62.41 ; 172.77,73.72 171.18,73.72 arc(170.42,73.57) 169.77,73.13 169.7,73.06 arc(169.05,72.63) 168.28,72.48 134.06,72.48 arc(133.29,72.33) 132.65,71.89 129.73,68.98 ; 172.77,73.72 172.22,73.72 ; 172.77,73.72 186.74,73.72 arc(187.5,73.87) 188.15,74.3 188.16,74.31 arc(188.81,74.75) 189.57,74.9 205.57,74.9 arc(206.34,74.75) 206.98,74.31 K24.2 ; 129.73,68.98 129.94,69.19 ; 129.73,68.98 126.95,66.19 arc(126.51,65.54) 126.36,64.78 126.36,62.41 ; D21.1 124.35,51.18 125.77,52.61 arc(126.21,53.26) 126.36,54.02 126.36,62.41
